# Altium PCB pcb-sam-carrier.PcbDoc (part 2 of 3) (continued)
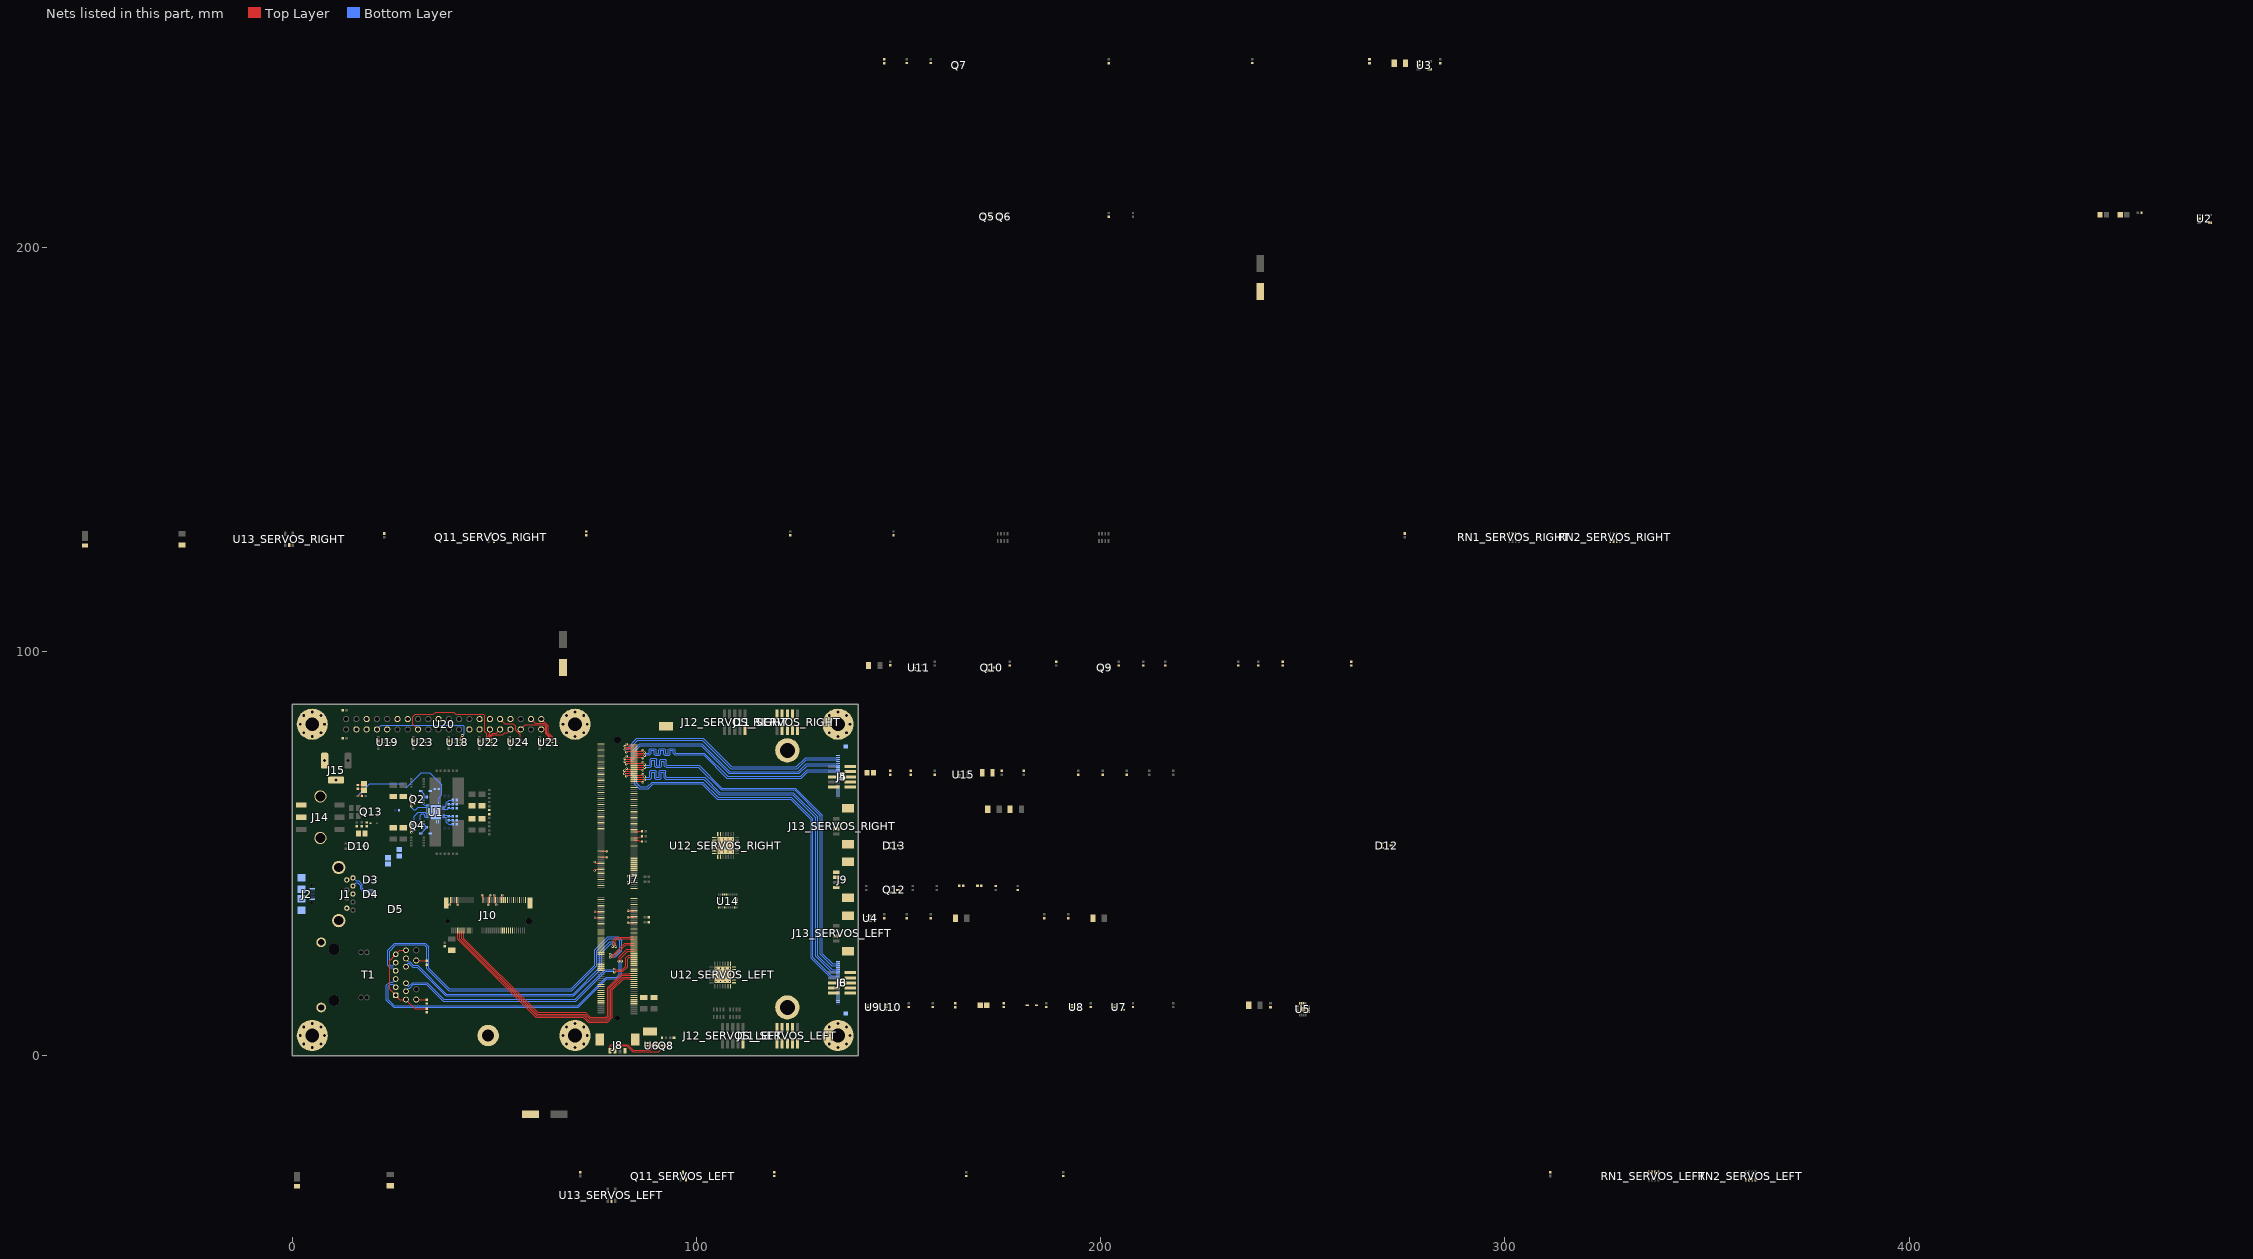
[diagram p2: the nets of this part, all layers, seen from the top]
## Part data (continued)
U6 U15: library part sn74lvc1t45, "Single-Bit Dual-Supply Bus Transceiver With Configurable Voltage Translation and 3-State Outputs", Supplier Part Number 1=296-37701-1-ND, ComponentLink1Description=Datasheet, ComponentLink1URL=https://www.ti.com/general/docs/suppproductinfo.tsp?distId=10&gotoUrl=https%3A%2F%2Fwww.ti.com%2Flit%2Fgpn%2Fsn74lvc1t45, Supplier 1=Digi-Key, Supplier 2=Digi-Key, Supplier 3=Mouser, Supplier Part Number 2=296-37701-6-ND, Supplier Part Number 3=595-74LVC1T45DCKTG4
U7: "Bus buffer/line driver; 3-state", ComponentLink1Description=Datasheet, ComponentLink1URL=https://assets.nexperia.com/documents/data-sheet/74LVC1G126.pdf
U8 U10: library part nc7sz38p5x, "TinyLogic UHS 2-Input / NAND Gate, Open Drain / Output", ComponentLink1Description=Datasheet, ComponentLink1URL=https://www.onsemi.com/pdf/datasheet/nc7sz38-d.pdf
U9 U11: library part 74lvc1g07gw, "Buffer with open-drain output", Supplier Part Number 1=1727-3099-1-ND, ComponentLink1Description=Datasheet, ComponentLink1URL=https://assets.nexperia.com/documents/data-sheet/74LVC1G07.pdf, Supplier 1=Digi-Key, Supplier 2=Digi-Key, Supplier 3=Mouser, Supplier Part Number 2=1727-3099-6-ND, Supplier Part Number 3=771-74LVC1G07GW-G
U12_SERVOS_LEFT U12_SERVOS_RIGHT: "16-channel, 12-bit PWM Fm+ I2C-bus LED controller", Address=0x40, ComponentLink1Description=datasheet, ComponentLink1URL=https://www.nxp.com/docs/en/data-sheet/PCA9685.pdf
U14: library part bno055, "Intelligent 9-axis absolute orientation sensor", Supplier Part Number 1=828-1058-1-ND, ComponentLink1Description=Datasheet, ComponentLink1URL=https://www.bosch-sensortec.com/media/boschsensortec/downloads/datasheets/bst-bno055-ds000.pdf, Supplier 1=Digi-Key, Supplier 2=Mouser, Supplier Part Number 2=262-BNO055
U18 U19 U21 U22 U23 U24: library part txb0104rutr, "4-Bit Bidirectional Voltage-level Translator With Automatic Direction Sensing", Supplier Part Number 1=296-21930-1-ND, ComponentLink1Description=datasheet, ComponentLink1URL=https://www.ti.com/lit/ds/symlink/txb0104.pdf, Supplier 1=Digi-Key, Supplier 2=Digi-Key, Supplier 3=Mouser, Supplier 4=LCSC, Supplier Part Number 2=296-21930-6-ND, Supplier Part Number 3=595-TXB0104RGYR, Supplier Part Number 4=C400708
U20: library part raspberry_2x20_con, "Raspberry PI 2x20 connector"
Y1: library part CMP-0447-00001-3, "CRYSTAL 32.7680KHZ 12.5PF SMD", Case/Package=CSMD, ESR (Equivalent Series Resistance)=70kR, Frequency=32.768kHz, Frequency Tolerance=20ppm, Load Capacitance=12.5pF, Max Operating Temperature=85°C, Min Operating Temperature=-40°C, Operating Frequency="32.768 kHz", Package Quantity=3000, Depth=1.5mm, Height=0.035inch, Lead Free="Lead Free", Length=3.2mm, Number of Pins=2, Packaging="Tape and Reel", Radiation Hardening=No, REACH SVHC="No SVHC", RoHS Compliant=Yes, Series=ABS07, Series Resistance=70kR, Termination=SMD/SMT, Tolerance=20ppm, Width=0.061inch

## Via types
v1: diameter 0.6, hole 0.2, Top Layer to Bottom Layer, tented both sides, 80 vias
v2: diameter 1.27, hole 0.7, Top Layer to Bottom Layer, 48 vias
v3: diameter 0.5, hole 0.2, Top Layer to Bottom Layer, 38 vias
v4: diameter 0.7, hole 0.3, Top Layer to Bottom Layer, tented both sides, 4 vias
v5: diameter 0.6, hole 0.2, Top Layer to Bottom Layer, 2 vias

## Nets (pads, with @x,y where several pads share a name; then routed paths per layer and width w, separated by ;. In a path a pad name is that pad's centre, name@x,y a point inside that pad or via, vN(x,y) a via of type N, cw(c..) or ccw(c..) an arc to the next point about the centre after c; other vN are vias at no path point)
\IMU_INT: R57.1 U14.14 U15.3
\LATCH_Q: R38.1 U8.2 U10.4
\LATCH_RST: R37.1 U9.4 U10.2
\LATCH_SET: C48.2 R35.1 U8.1
\M2E_W_DISABLE1: J10.56 Q9.3 R43.1
\M2E_W_DISABLE2: J10.54 Q10.3 R47.1
\PCIE_CLKREQ: J7.180 J10.53 R45.1
\PCIE_RESET: J7.181 J10.52 R42.1
\PCIE_WAKE: J7.179 J10.55 R44.1
\SERVO_EN_SERVOS_LEFT: Q11_SERVOS_LEFT.3 R49_SERVOS_LEFT.1 U12_SERVOS_LEFT.20
\SERVO_EN_SERVOS_RIGHT: Q11_SERVOS_RIGHT.3 R49_SERVOS_RIGHT.1 U12_SERVOS_RIGHT.20
\SYS_RST: J7.239 Q5.1 R23.1 U1.10 U3.4
A0_SERVOS_LEFT: R50_SERVOS_LEFT.1 R51_SERVOS_LEFT.2 U12_SERVOS_LEFT.26
A0_SERVOS_RIGHT: R50_SERVOS_RIGHT.1 R51_SERVOS_RIGHT.2 U12_SERVOS_RIGHT.26
ACT_C: R25.2 T1.17 | length 2.6
  Top Layer w0.213: T1.17@30.71,13.905 33.27,13.905 R25.2@33.3,13.875
AUD_MCLK: J7.211 U18.5
BG1: Q2.4 U1.21 | length 5.7
  Top Layer w0.213: Q2.4@29.45,62.525 29.5,62.475 v1(29.5,61.75)
  Bottom Layer w0.213: v1(29.5,61.75) 29.574,61.676 29.574,61.386 30.077,60.883 30.633,60.883 31.25,61.5 U1.21@33.575,61.5
BG2: Q4.4 U1.18 | length 9
  Top Layer w0.213: Q4.4@29.45,56.025 29.45,55.3 v1(29.5,55.25)
  Bottom Layer w0.213: v1(29.5,55.25) 29.5,55.256 29.818,55.574 29.824,55.574 30.25,56 30.25,59.29 31.21,60.25 32.766,60.25 33.009,60.007 33.568,60.007 U1.18@33.575,60
BOOST1: C5.2 D1.C U1.22 | length 5.6
  Bottom Layer w0.213: D1.C@31.875,65.5 32.075,65.5 32.194,65.381 32.194,65.181 32.625,64.75 32.625,64 ; C5.2@33.29,64 32.625,64 ; U1.22@33.575,62 32.766,62 32.5,62.266 32.5,63.875 32.625,64
BOOST2: C18.2 D2.C U1.16 | length 8.4
  Bottom Layer w0.213: D2.C@31.875,55 32.075,55 32.194,55.119 32.194,55.319 33.076,56.201 33.076,56.286 C18.2@33.29,56.5 31.691,58.099 31.691,59.481 32.019,59.809 32.481,59.809 32.809,59.481 32.809,59.132 32.933,59.007 33.568,59.007 U1.16@33.575,59
BT_M2_EN: J7.126 Q10.1
BT_M2_WAKE: J7.124 J10.20 R46.2
CAM0_MCLK: J5.17 J7.116
CAM0_PWDN: J5.18 J7.114
CAM0_SCL: J5.20 U4.6
CAM0_SDA: J5.21 U4.2
CAM1_MCLK: J3.17 J7.122
CAM1_PWDN: J3.18 J7.120
CAM1_SCL: J3.20 U4.7
CAM1_SDA: J3.21 U4.1
CAM_MUX_SEL: J7.130 U4.10
CAM_SCL: J7.213 U4.5
CAM_SDA: J7.215 U4.3
CSI0_CLK_N: J5.8 J7.10 | length 59.7
  Top Layer w0.213: J7.10@84.6,74.875 85.581,74.875 85.599,74.857 87.052,74.857 v1(87.2,75.005)
  Bottom Layer w0.213: v1(87.2,75.005) 87.305,75.005 87.453,74.857 88.02,74.857 88.26,74.857 88.385,74.981 88.385,75.72 88.652,75.987 89.751,75.987 90.019,75.72 90.019,74.748 90.739,74.748 90.739,75.72 91.007,75.987 92.106,75.987 92.374,75.72 92.374,74.748 93.094,74.748 93.094,75.692 93.362,75.959 94.461,75.959 94.729,75.692 94.729,74.981 94.853,74.857 97.768,74.857 101.989,74.857 107.723,69.123 125.777,69.123 127.382,70.728 134.422,70.728 134.444,70.75 J5.8@135.05,70.75
CSI0_CLK_P: J5.9 J7.12 | length 59.7
  Top Layer w0.213: J7.12@84.6,74.375 85.581,74.375 85.606,74.4 87.052,74.4 v1(87.2,74.252)
  Bottom Layer w0.213: v1(87.2,74.252) 87.305,74.252 87.453,74.4 88.02,74.4 88.449,74.4 88.841,74.792 88.841,75.531 89.562,75.531 89.562,74.559 89.83,74.291 90.929,74.291 91.196,74.559 91.196,75.531 91.917,75.531 91.917,74.559 92.185,74.291 93.284,74.291 93.551,74.559 93.551,75.502 94.272,75.502 94.272,74.792 94.664,74.4 97.768,74.4 101.8,74.4 107.534,68.666 125.966,68.666 127.572,70.272 134.422,70.272 134.444,70.25 J5.9@135.05,70.25
CSI0_D0_N: J5.2 J7.4 | length 59.9
  Top Layer w0.213: v1(82.3,76.501) 82.448,76.353 83.597,76.353 83.619,76.375 J7.4@84.6,76.375
  Bottom Layer w0.213: v1(82.3,76.501) 82.448,76.353 83.151,76.353 85.297,78.5 88.25,78.5 98.5,78.5 101.654,78.5 108.692,71.462 124.762,71.462 127.028,73.728 134.422,73.728 134.444,73.75 J5.2@135.05,73.75
CSI0_D0_P: J5.3 J7.6 | length 59.9
  Top Layer w0.213: v1(82.3,75.749) 82.448,75.897 83.597,75.897 83.619,75.875 J7.6@84.6,75.875
  Bottom Layer w0.213: v1(82.3,75.749) 82.448,75.897 83.34,75.897 85.486,78.043 101.465,78.043 108.503,71.005 124.951,71.005 127.218,73.272 134.422,73.272 134.444,73.25 J5.3@135.05,73.25
CSI0_D1_N: J5.5 J7.16 | length 61.3
  Top Layer w0.213: v1(82.3,73.501) 82.448,73.353 83.597,73.353 83.619,73.375 J7.16@84.6,73.375
  Bottom Layer w0.213: v1(82.3,73.501) 82.448,73.353 83.621,73.353 84.143,73.875 84.143,75.343 85.957,77.157 101.343,77.157 108.207,70.293 125.246,70.293 127.182,72.228 134.422,72.228 134.444,72.25 J5.5@135.05,72.25
CSI0_D1_P: J5.6 J7.18 | length 61.3
  Top Layer w0.213: v1(82.3,72.749) 82.448,72.897 83.597,72.897 83.619,72.875 J7.18@84.6,72.875
  Bottom Layer w0.213: v1(82.3,72.749) 82.448,72.897 83.81,72.897 84.599,73.686 84.599,75.153 86.146,76.7 101.154,76.7 108.018,69.836 125.436,69.836 127.372,71.772 134.422,71.772 134.444,71.75 J5.6@135.05,71.75
CSI2_CLK_N: J3.8 J7.28 | length 98.3
  Top Layer w0.213: v1(82.2,70.505) 82.348,70.357 83.601,70.357 83.619,70.375 J7.28@84.6,70.375
  Bottom Layer w0.213: v1(82.2,70.505) 82.348,70.357 83.795,70.357 85.257,68.895 85.257,67.343 86.1,66.5 87.9,66.5 89.084,67.684 101.554,67.684 105.354,63.884 123.508,63.884 128.818,58.574 128.818,24.303 133.392,19.728 134.422,19.728 134.444,19.75 J3.8@135.05,19.75
CSI2_CLK_P: J3.9 J7.30 | length 98.3
  Top Layer w0.213: v1(82.2,69.752) 82.348,69.9 83.594,69.9 83.619,69.875 J7.30@84.6,69.875
  Bottom Layer w0.213: v1(82.2,69.752) 82.348,69.9 83.606,69.9 84.8,68.706 84.8,67.154 85.911,66.043 88.089,66.043 89.273,67.227 101.365,67.227 105.165,63.427 123.319,63.427 128.361,58.385 128.361,24.113 133.203,19.272 134.422,19.272 134.444,19.25 J3.9@135.05,19.25
CSI2_D0_N: J3.2 J7.22 | length 96.8
  Top Layer w0.213: J7.22@84.6,71.875 85.581,71.875 85.603,71.853 87.052,71.853 v1(87.2,72.001)
  Bottom Layer w0.213: v1(87.2,72.001) 87.348,71.853 88.2,71.853 88.44,71.853 88.565,71.978 88.565,73.311 88.832,73.578 89.931,73.578 90.199,73.311 90.199,71.787 90.92,71.787 90.92,73.057 91.187,73.324 92.286,73.324 92.554,73.057 92.554,71.978 92.678,71.853 99.368,71.853 100.693,71.853 106.323,66.223 124.477,66.223 131.157,59.543 131.157,25.272 133.7,22.728 134.422,22.728 134.444,22.75 J3.2@135.05,22.75
CSI2_D0_P: J3.3 J7.24 | length 96.8
  Top Layer w0.213: J7.24@84.6,71.375 85.581,71.375 85.603,71.397 87.052,71.397 v1(87.2,71.249)
  Bottom Layer w0.213: v1(87.2,71.249) 87.348,71.397 88.2,71.397 88.629,71.397 89.022,71.789 89.022,73.122 89.742,73.122 89.742,71.598 90.01,71.33 91.109,71.33 91.376,71.598 91.376,72.868 92.097,72.868 92.097,71.789 92.489,71.397 99.368,71.397 100.503,71.397 106.134,65.766 124.288,65.766 130.7,59.354 130.7,25.082 133.511,22.272 134.422,22.272 134.444,22.25 J3.3@135.05,22.25
CSI2_D1_N: J3.5 J7.34 | length 96.7
  Top Layer w0.213: J7.34@84.6,68.875 85.581,68.875 85.603,68.853 87.052,68.853 v1(87.2,69.001)
  Bottom Layer w0.213: v1(87.2,69.001) 87.348,68.853 88.1,68.853 88.34,68.853 88.465,68.978 88.465,70.36 88.732,70.628 89.831,70.628 90.099,70.36 90.099,68.853 90.82,68.853 90.82,70.35 91.087,70.618 92.186,70.618 92.454,70.35 92.454,68.978 92.578,68.853 99.777,68.853 102.039,68.853 105.839,65.054 123.993,65.054 129.987,59.059 129.987,24.787 133.546,21.228 134.422,21.228 134.444,21.25 J3.5@135.05,21.25
CSI2_D1_P: J3.6 J7.36 | length 96.7
  Top Layer w0.213: J7.36@84.6,68.375 85.581,68.375 85.603,68.397 87.052,68.397 v1(87.2,68.249)
  Bottom Layer w0.213: v1(87.2,68.249) 87.348,68.397 88.1,68.397 88.529,68.397 88.922,68.789 88.922,70.171 89.642,70.171 89.642,68.664 89.91,68.397 91.009,68.397 91.276,68.664 91.276,70.161 91.997,70.161 91.997,68.789 92.389,68.397 99.777,68.397 101.85,68.397 105.649,64.597 123.803,64.597 129.531,58.869 129.531,24.598 133.357,20.772 134.422,20.772 134.444,20.75 J3.6@135.05,20.75
DISCGH: Q5.3 Q6.1 R16.1
FAN_PWM: J7.230 U6.4
FAN_PWM_CON: J8.4 U6.3 | length 14.7
  Top Layer w0.152: J8.4@78.625,1.25 78.625,2.375 79,2.75 83,2.75 84.446,1.304 88.554,1.304 89,1.75 89,2.75 89.4,3.15 U6.3@90.125,3.15
FAN_TACH: J7.208 Q8.2 R33.1
FAN_TACH_CON: J8.3 Q8.3 R31.1 | length 14.3
  Top Layer w0.152: J8.3@79.875,1.25 79.875,2.125 80.196,2.446 82.804,2.446 84.25,1 90.65,1 91.65,2 Q8.3@91.65,2.5
GBE_MDI0_N: J7.184 T1.10 | length 70.4
  Top Layer w0.213: v1(79.295,27) 79.443,27.148 79.443,28.589 80.207,29.353 83.597,29.353 83.619,29.375 J7.184@84.6,29.375
  Bottom Layer w0.213: T1.10@28.17,22.03 28.17,22.287 28.7,22.817 28.895,22.817 29.811,21.9 30.9,21.9 38,14.8 69.708,14.8 76.584,21.676 76.584,25.484 78.8,27.7 79.243,27.7 79.443,27.5 79.443,27.148 v1(79.295,27)
GBE_MDI0_P: J7.186 T1.11 | length 70.4
  Top Layer w0.213: v1(80.048,27) 79.9,27.148 79.9,28.4 80.397,28.897 83.597,28.897 83.619,28.875 J7.186@84.6,28.875
  Bottom Layer w0.213: T1.11@28.17,24.06 28.17,23.803 28.7,23.273 29.084,23.273 30,22.357 31.089,22.357 38.189,15.257 69.519,15.257 76.127,21.865 76.127,25.673 78.611,28.157 79.432,28.157 79.9,27.689 79.9,27.148 v1(80.048,27)
GBE_MDI1_N: J7.190 T1.5 | length 90.9
  Top Layer w0.213: v1(78.7,25.105) 78.848,24.957 79.414,24.957 80.451,25.994 80.465,25.994 81.054,26.583 81.054,26.597 82.311,27.853 83.597,27.853 83.619,27.875 J7.190@84.6,27.875
  Bottom Layer w0.213: T1.5@25.63,23.045 24.843,22.258 24.4,22.258 24.1,22.558 24.1,25.9 25.6,27.4 32.7,27.4 33.3,26.8 33.3,21.5 38.7,16.1 69.213,16.1 75.314,22.201 75.314,26.01 78.274,28.969 80.531,28.969 81.1,28.4 81.1,26.2 79.857,24.957 78.848,24.957 v1(78.7,25.105)
GBE_MDI1_P: J7.192 T1.4 | length 93.9
  Top Layer w0.213: v1(78.7,24.352) 78.848,24.5 79.603,24.5 80.64,25.537 80.654,25.537 81.511,26.394 81.511,26.407 82.5,27.397 83.597,27.397 83.619,27.375 J7.192@84.6,27.375
  Bottom Layer w0.213: T1.4@25.63,21.015 24.843,21.802 24.211,21.802 23.643,22.369 23.643,26.089 25.411,27.857 32.889,27.857 33.623,27.123 33.757,26.989 33.757,21.689 38.889,16.557 69.024,16.557 74.857,22.391 74.857,26.199 78.085,29.426 80.72,29.426 81.557,28.589 81.557,26.011 80.046,24.5 78.848,24.5 v1(78.7,24.352)
GBE_MDI2_N: J7.196 T1.2 | length 75.6
  Top Layer w0.213: v1(80.752,23.4) 80.9,23.548 80.9,24.443 82.811,26.353 83.597,26.353 83.619,26.375 J7.196@84.6,26.375
  Bottom Layer w0.213: T1.2@25.63,16.955 24.843,17.742 24.3,17.742 23.8,17.242 23.8,13.9 25.3,12.4 70.6,12.4 77.657,19.457 80.257,19.457 80.9,20.1 80.9,23.252 v1(80.752,23.4)
GBE_MDI2_P: J7.198 T1.3 | length 77.1
  Top Layer w0.213: v1(81.505,23.4) 81.357,23.548 81.357,24.253 83,25.897 83.597,25.897 83.619,25.875 J7.198@84.6,25.875
  Bottom Layer w0.213: T1.3@25.63,18.985 24.843,18.198 24.111,18.198 23.343,17.431 23.343,13.711 25.111,11.943 70.789,11.943 77.846,19 80.446,19 81.357,19.911 81.357,23.252 v1(81.505,23.4)
GBE_MDI3_N: J7.202 T1.9 | length 64.8
  Top Layer w0.213: v1(79.7,21.448) 79.848,21.3 81.654,21.3 82.543,22.189 82.543,24.189 83.229,24.875 J7.202@84.6,24.875
  Bottom Layer w0.213: T1.9@28.17,17.97 28.17,17.713 28.7,17.183 28.895,17.183 29.811,18.1 33.4,18.1 37.543,13.957 70.014,13.957 77.357,21.3 79.552,21.3 v1(79.7,21.448)
GBE_MDI3_P: J7.204 T1.8 | length 64.8
  Top Layer w0.213: v1(79.7,20.695) 79.848,20.843 81.843,20.843 83,22 83,24 83.375,24.375 J7.204@84.6,24.375
  Bottom Layer w0.213: T1.8@28.17,15.94 28.17,16.197 28.7,16.727 29.084,16.727 30,17.643 33.211,17.643 37.354,13.5 70.203,13.5 77.547,20.843 79.552,20.843 v1(79.7,20.695)
GND: C1.1 C2.1 C3.1 C4.1 C6.2 C7.1 C8.1 C9.1 C11.1 C12.1 C13.2 C14.1 C15.1 C16.1 C17.1 C19.2 C20.1 C21.1 C23.1 C24.1 C25.2 C26.1 C27.1 C28.1 C31.1 C32.1 C33.1 C34.1 C35.1 C36.1 C37.1 C38.1 C39.1 C40.1 C41.2 C42.1 C43.1 C44.2 C45.1 C46.1 C47.1 C48.1 C49.1 C50.1 C53.1 C54.1 C55_SERVOS_LEFT.2 C55_SERVOS_RIGHT.2 C56_SERVOS_LEFT.2 C56_SERVOS_RIGHT.2 C57_SERVOS_LEFT.1 C57_SERVOS_RIGHT.1 C58.1 C59.1 C60.1 C61.1 C62.1 C63.1 C64.1 C65.1 C66.1 C67.1 C68.1 C69.1 C70.1 C71.1 C72.1 C73.1 C74.1 C75.1 C76.1 C77.1 C78.1 C79.2 C80.1 D3.3 D3.8 D4.3 D4.8 D5.3 D5.8 D7_SERVOS_LEFT.A D7_SERVOS_RIGHT.A D8.2 D10.3 D12.3 D13.3 J1.4 J1.7 J1.Shell J2.5 J2.Shell J3.1 J3.4 J3.7 J3.10 J3.13 J3.16 J3.19 J3.MP1 J3.MP2 J4.02 J4.04 J5.1 J5.4 J5.7 J5.10 J5.13 J5.16 J5.19 J5.MP1 J5.MP2 J6.02 J6.04 J6.07 J7.1 J7.2 J7.7 J7.8 J7.13 J7.14 J7.19 J7.20 J7.25 J7.26 J7.31 J7.32 J7.37 J7.38 J7.43 J7.44 J7.49 J7.50 J7.55 J7.56 J7.61 J7.62 J7.67 J7.68 J7.73 J7.74 J7.79 J7.80 J7.85 J7.86 J7.102 J7.107 J7.113 J7.119 J7.125 J7.129 J7.132 J7.135 J7.138 J7.141 J7.144 J7.146 J7.147 J7.152 J7.153 J7.158 J7.159 J7.164 J7.165 J7.170 J7.171 J7.176 J7.177 J7.200 J7.201 J7.217 J7.231 J7.241 J7.242 J7.243 J7.244 J7.245 J7.246 J7.247 J7.248 J7.249 J7.250 J7.S1 J7.S2 J8.1 J8.SHD J9.1 J9.SHD J10.1 J10.7 J10.18 J10.33 J10.39 J10.45 J10.51 J10.57 J10.63 J10.69 J10.75 J10.S1 J10.S2 J11_SERVOS_LEFT.2 J11_SERVOS_RIGHT.2 J12_SERVOS_LEFT.2 J12_SERVOS_RIGHT.2 J13_SERVOS_LEFT.2 J13_SERVOS_LEFT.SHD J13_SERVOS_RIGHT.2 J13_SERVOS_RIGHT.SHD J14.2 J14.3 J14.TAB J15.2 J15.3 MH1.1 MH2.1 MH3.1 MH4.1 MH5.1 MH6.1 MP1.1 MP2.1 MP3.1 Q2.1 Q2.2 Q2.3 Q4.1 Q4.2 Q4.3 Q5.2 Q6.2 Q7.2 Q9.2 Q10.2 Q11_SERVOS_LEFT.2 Q11_SERVOS_RIGHT.2 Q12.2 R3.2 R4.2 R8.1 R11.2 R20.2 R27.1 R51_SERVOS_LEFT.1 R51_SERVOS_RIGHT.1 R62.1 R66.1 T1.Shell U1.11 U1.17 U1.29 U2.2 U2.4 U3.2 U4.4 U4.8 U5.3 U5.11 U5.15 U5.17 U6.2 U6.5 U7.3 U8.3 U9.3 U10.3 U11.3 U12_SERVOS_LEFT.1 U12_SERVOS_LEFT.2 U12_SERVOS_LEFT.11 U12_SERVOS_LEFT.21 U12_SERVOS_LEFT.22 U12_SERVOS_LEFT.27 U12_SERVOS_LEFT.28 U12_SERVOS_LEFT.29 U12_SERVOS_RIGHT.1 U12_SERVOS_RIGHT.2 U12_SERVOS_RIGHT.11 U12_SERVOS_RIGHT.21 U12_SERVOS_RIGHT.22 U12_SERVOS_RIGHT.27 U12_SERVOS_RIGHT.28 U12_SERVOS_RIGHT.29 U13_SERVOS_LEFT.2 U13_SERVOS_RIGHT.2 U14.2 U14.6 U14.17 U14.18 U14.25 U15.2 U18.6 U19.6 U20.6 U20.9 U20.14 U20.20 U20.25 U20.30 U20.34 U20.39 U21.6 U22.6 U23.6 U24.6 | length 55.9
  Top Layer w0.213: R8.1@16.25,66.975 17.425,66.975 C9.1@17.75,67.3 ; v1(39,37.3) 39.25,37.55 J10.1@39.25,38.525 ; J10.7@40.75,38.525 40.75,37.55 v1(41,37.3) ; v1(47,39.75) 47.25,39.5 J10.33@47.25,38.525 ; v1(48.5,37.3) 48.75,37.55 J10.39@48.75,38.525 48.75,39.5 v1(49,39.75) ; v1(50,39.75) 50.25,39.5 J10.45@50.25,38.525 50.25,37.55 v1(50.5,37.3) ; J10.51@51.75,38.525 51.75,39.5 v1(52,39.75) ; v1(74.837,45.826) 74.857,45.826 75.155,46.125 J7.125@76.4,46.125 ; v1(74.837,47.924) 74.857,47.924 75.155,47.625 J7.119@76.4,47.625 ; v1(74.925,34.125) J7.165@76.4,34.125 ; v1(74.925,35.625) J7.159@76.4,35.625 ; J7.113@76.4,49.125 v1(77.875,49.125) ; J7.107@76.4,50.625 v1(77.875,50.625) ; v1(82.675,69.169) 82.78,69.169 82.986,69.375 86.435,69.375 86.666,69.606 v1(86.753,69.606) ; v1(82.705,72.114) 82.762,72.114 83.023,72.375 86.435,72.375 86.666,72.606 v1(86.753,72.606) ; v1(82.705,75.114) 82.762,75.114 83.023,75.375 86.433,75.375 86.666,75.608 v1(86.751,75.608) ; v1(82.735,71.034) 82.84,71.034 82.999,70.875 86.464,70.875 86.716,70.623 v1(86.782,70.623) ; v1(82.763,74.095) 82.861,74.095 83.081,73.875 86.466,73.875 86.715,73.625 v1(86.784,73.625) ; v1(82.763,77.095) 82.861,77.095 83.081,76.875 J7.2@84.6,76.875 ; v1(83.1,34.3) 84.525,34.3 J7.164@84.6,34.375 ; v1(83.1,35.9) 84.575,35.9 J7.158@84.6,35.875 ; v1(83.125,32.875) J7.170@84.6,32.875 ; v1(83.125,42.875) J7.138@84.6,42.875 ; v1(83.125,44.375) J7.132@84.6,44.375 ; J7.38@84.6,67.875 86.464,67.875 86.716,67.623 v1(86.782,67.623)
  Bottom Layer w0.213: U1.17@33.575,59.5 34.6,59.5 v3(34.95,59.15)
  other v2: 5,2 70,2 135,2 2.879,2.879 7.121,2.879 67.879,2.879 72.121,2.879 132.879,2.879 137.121,2.879 2,5 8,5 67,5 73,5 132,5 138,5 2.879,7.121 7.121,7.121 67.879,7.121 72.121,7.121 132.879,7.121 137.121,7.121 5,8 70,8 135,8 5,79 70,79 135,79 2.879,79.879 7.121,79.879 67.879,79.879 72.121,79.879 132.879,79.879 137.121,79.879 2,82 8,82 67,82 73,82 132,82 138,82 2.879,84.121 7.121,84.121 67.879,84.121 72.121,84.121 132.879,84.121 137.121,84.121 5,85 70,85 135,85
  other v3: 104.85,18.35 105.95,18.35 107.05,18.35 108.15,18.35 104.85,19.45 105.95,19.45 107.05,19.45 108.15,19.45 104.85,20.55 105.95,20.55 107.05,20.55 108.15,20.55 104.85,21.65 105.95,21.65 107.05,21.65 108.15,21.65 105.6,50.35 106.7,50.35 107.8,50.35 108.9,50.35 105.6,51.45 106.7,51.45 107.8,51.45 108.9,51.45 105.6,52.55 106.7,52.55 107.8,52.55 108.9,52.55 105.6,53.65 106.7,53.65 107.8,53.65 108.9,53.65 36.05,59.15 34.95,60.25 36.05,60.25 34.95,61.35 36.05,61.35
GPIO01: J7.118 U15.4 U22.3
GPIO01_LS: U20.29 U22.9 | length 2.8
  Top Layer w0.152: U22.9@48.5,78.15 48.5,79.1 48.93,79.53 U20.29@48.93,80.73
GPIO07_LS: U20.32 U24.8 | length 8.4
  Top Layer w0.152: U20.32@51.47,83.27 52.64,82.1 54.7,82.1 55.3,81.5 55.3,80.548 56.483,79.366 56.483,78.634 56.424,78.576 56.424,78.174 U24.8@56.4,78.15
GPIO09_LS: U18.7 U20.7 | length 25.8
  Top Layer w0.152: U18.7@41.7,78.15 41.7,78.8 v4(42.1,79.2)
  Bottom Layer w0.152: U20.7@20.99,80.73 22.056,81.796 42.204,81.796 42.6,81.4 42.6,79.7 v4(42.1,79.2)
GPIO11_LS: U20.31 U22.8 | length 4.2
  Top Layer w0.152: U22.8@48.9,78.15 48.9,79.07 49.63,79.8 50.54,79.8 U20.31@51.47,80.73
GPIO12_LS: U20.15 U22.10 | length 28.4
  Top Layer w0.152: U20.15@31.15,80.73 29.9,81.98 29.9,83.9 30.5,84.5 34.97,84.5 35.474,85.004 40.006,85.004 40.51,84.5 47.3,84.5 47.6,84.2 47.6,80.1 48.1,79.6 U22.10@48.1,78.15
GPIO13_LS: U20.33 U22.7 | length 6.3
  Top Layer w0.152: U22.7@49.3,78.15 49.3,79.039 49.661,79.4 52.1,79.4 52.6,79.9 53.18,79.9 U20.33@54.01,80.73
HOST_TXC_N: C29.1 D4.4 D4.7 J1.8 | length 6.6
  Bottom Layer w0.213: J1.8@15.04,42 15.812,42.772 16.272,42.772 16.943,42.1 16.943,41.257 17.678,40.522 18.672,40.522 18.694,40.5 D4.4@19.082,40.5 D4.7@19.917,40.5
HOST_TXC_P: C30.1 D4.5 D4.6 J1.9 | length 6.6
  Bottom Layer w0.213: J1.9@15.04,44 15.812,43.228 16.461,43.228 17.4,42.289 17.4,41.446 17.868,40.978 18.672,40.978 18.694,41 D4.5@19.082,41 D4.6@19.917,41
HOST_VBUS_5V: C27.2 C28.2 J1.1 U3.1
I2C1.SCL: D12.2 J4.05 J6.05 J7.189 R60.2 U12_SERVOS_LEFT.23 U12_SERVOS_RIGHT.23 U20.5
I2C1.SDA: D12.1 J4.06 J6.06 J7.191 R61.2 U12_SERVOS_LEFT.24 U12_SERVOS_RIGHT.24 U20.3
I2C2_SCL: J7.232 R39.2
I2C2_SDA: J7.234 R40.2
I2S0.DIN: J4.08 J6.08 J7.195 U21.4
I2S0.DOUT: J7.193 U5.1 U21.5
I2S0.FS: J4.09 J6.09 J7.197 U5.14 U21.3
I2S0.SCLK: J4.10 J6.10 J7.199 U5.16 U21.2
I2S0_DIN_LS: U20.38 U21.8 | length 8.3
  Top Layer w0.152: U20.38@59.09,83.27 60.16,82.2 62.27,82.2 62.996,81.474 62.996,79.804 63.9,78.9 U21.8@63.9,78.15
I2S0_DOUT_LS: U20.40 U21.7 | length 6.2
  Top Layer w0.152: U20.40@61.63,83.27 63.3,81.6 63.3,79.93 64.3,78.93 U21.7@64.3,78.15
I2S0_FS_LS: U20.35 U21.9 | length 10.4
  Top Layer w0.152: U20.35@56.55,80.73 57.716,81.896 62.143,81.896 62.691,81.348 62.691,79.678 63.5,78.87 U21.9@63.5,78.15
I2S0_SCLK_LS: U20.12 U21.10
I2S1_DIN: J7.222 J10.12 | length 61.3
  Top Layer w0.152: J10.12@42,30.975 42,28.931 60.627,10.304 72.377,10.304 73.583,9.098 77.711,9.098 78.446,9.833 78.446,16.654 81.667,19.875 83.649,19.875 J7.222@84.6,19.875
I2S1_DOUT: J7.220 J10.14 | length 60.7
  Top Layer w0.152: J10.14@42.5,30.975 42.5,29 60.794,10.706 72.544,10.706 73.75,9.5 77.544,9.5 78.044,10 78.044,16.82 81.5,20.277 83.482,20.277 83.58,20.375 J7.220@84.6,20.375
I2S1_FS: J7.224 J10.10 | length 62.1
  Top Layer w0.152: J10.10@41.5,30.975 41.5,28.863 60.461,9.902 72.211,9.902 73.417,8.696 77.877,8.696 78.848,9.667 78.848,16.487 81.833,19.473 83.551,19.473 83.649,19.375 J7.224@84.6,19.375
I2S1_SCLK: J7.226 J10.8 | length 62.8
  Top Layer w0.152: J10.8@41,30.975 41,28.794 60.294,9.5 72.044,9.5 73.25,8.294 78.044,8.294 79.25,9.5 79.25,16.321 82,19.071 83.385,19.071 83.58,18.875 J7.226@84.6,18.875
ID_I2C.SCL: D13.1 J7.185 U20.28
ID_I2C.SDA: D13.2 J7.187 U20.27
INTVCC: C4.2 D1.A D2.A R2.2 U1.19
LATCH_Q: D6.C R34.1 R36.1 U8.4 U10.1
LATCH_Q_DLY: C47.2 D6.A R36.2 U7.2
LCD_BL_PWM: J7.206 U24.4
LINK_C: R24.2 T1.19 | length 2.6
  Top Layer w0.213: T1.19@30.71,23.555 30.79,23.475 R24.2@33.3,23.475
M2E_ALERT: J7.212 J10.62 R41.1
M2E_SCL: J10.60 R39.1
M2E_SDA: J10.58 R40.1
MUSB_VBUS_5V: C33.2 J2.1 R26.1
NetC1_2: C1.2 R1.2 U1.20
NetC9_2: C9.2 R5.2 R8.2 U1.27 | length 33
  Top Layer w0.213: v1(16.25,64.25) R5.2@17.275,64.25 17.275,65.225 C9.2@17.75,65.7 17.425,66.025 R8.2@16.25,66.025
  Bottom Layer w0.213: v1(16.25,64.25) 19.25,67.25 27.5,67.25 ; 28.25,66.25 32,70 34,70 37,67 37,64.5 36.25,63.75 U1.27@36.25,62.675
NetC11_2: C11.2 U1.2 | length 3.5
  Bottom Layer w0.213: U1.2@37.425,61.5 37.735,61.5 37.851,61.616 37.884,61.616 38.191,61.924 38.191,61.96 38.191,62.607 38.834,63.25 C11.2@39.79,63.25
NetC12_2: C12.2 R9.2 U1.3 | length 2.5
  Bottom Layer w0.213: U1.3@37.425,61 38.45,61 38.725,61.275 38.75,61.25 C12.2@39.79,61.25
NetC13_1: C13.1 R9.1 | length 1.1
  Bottom Layer w0.213: R9.1@38.75,62.225 39.765,62.225 C13.1@39.79,62.25
NetC23_2: C23.2 R18.2 U1.6 | length 2.5
  Bottom Layer w0.213: U1.6@37.425,59.5 38.45,59.5 38.725,59.225 R18.2@38.75,59.225 39.765,59.225 C23.2@39.79,59.25
NetC24_2: C24.2 U1.7 | length 3.7
  Bottom Layer w0.213: U1.7@37.425,59 38,59 38.191,58.809 38.191,57.809 38.75,57.25 C24.2@39.79,57.25
NetC25_1: C25.1 R18.1 | length 1.1
  Bottom Layer w0.213: R18.1@38.75,58.275 38.775,58.25 C25.1@39.79,58.25
NetC32_2: C32.2 T1.1 T1.6 T1.7 T1.12 | length 23.4
  Top Layer w0.213: T1.12@28.17,26.09 26.645,26.09 T1.6@25.63,25.075 24.1,23.545 24.1,16.455 T1.1@25.63,14.925 26.645,13.91 T1.7@28.17,13.91 30.42,11.66 C32.2@33.3,11.66
NetC60_2: C60.2 U14.9
NetC61_2: C61.2 U14.26 Y1.1
NetC62_2: C62.2 U14.27 Y1.2
NetC66_2: C66.2 R65.1
NetD8_A: D8.1 R52.2
NetD9_A: D9.1 R53.1
NetD9_C: D9.2 Q12.3
NetD11_A: D11.A Q13.4 R66.2
NetJ7_88: J7.88 R28.1 | length 2
  Top Layer w0.213: J7.88@84.6,55.375 84.613,55.388 85.638,55.388 85.75,55.5 R28.1@86.525,55.5
NetJ7_94: J7.94 R30.1 | length 2.1
  Top Layer w0.213: J7.94@84.6,53.875 85.725,53.875 86.056,54.206 86.481,54.206 R30.1@86.525,54.25
NetJ7_96: J7.96 R29.1 | length 2.1
  Top Layer w0.213: J7.96@84.6,53.375 84.613,53.362 85.638,53.362 86,53 R29.1@86.525,53
NetJ7_188: J7.188 R24.1
NetJ7_194: J7.194 R25.1
NetJ7_210: J7.210 U11.2
NetJ7_216: J7.216 U22.4
NetJ7_218: J7.218 U22.2
NetJ7_228: J7.228 U22.5
NetJ7_233: J7.233 U9.2
NetJ7_237: J7.237 U7.4
NetJ9_3: J9.3 U5.9
NetJ9_4: J9.4 U5.10
NetJ11_SERVOS_LEFT_3: J11_SERVOS_LEFT.3 RN1_SERVOS_LEFT.8
NetJ11_SERVOS_LEFT_4: J11_SERVOS_LEFT.4 RN2_SERVOS_LEFT.1
NetJ11_SERVOS_LEFT_5: J11_SERVOS_LEFT.5 RN1_SERVOS_LEFT.7
NetJ11_SERVOS_LEFT_6: J11_SERVOS_LEFT.6 RN2_SERVOS_LEFT.2
NetJ11_SERVOS_LEFT_7: J11_SERVOS_LEFT.7 RN1_SERVOS_LEFT.6
NetJ11_SERVOS_LEFT_8: J11_SERVOS_LEFT.8 RN2_SERVOS_LEFT.3
NetJ11_SERVOS_LEFT_9: J11_SERVOS_LEFT.9 RN1_SERVOS_LEFT.5
NetJ11_SERVOS_LEFT_10: J11_SERVOS_LEFT.10 RN2_SERVOS_LEFT.4
NetJ11_SERVOS_RIGHT_3: J11_SERVOS_RIGHT.3 RN1_SERVOS_RIGHT.8
NetJ11_SERVOS_RIGHT_4: J11_SERVOS_RIGHT.4 RN2_SERVOS_RIGHT.1
NetJ11_SERVOS_RIGHT_5: J11_SERVOS_RIGHT.5 RN1_SERVOS_RIGHT.7
NetJ11_SERVOS_RIGHT_6: J11_SERVOS_RIGHT.6 RN2_SERVOS_RIGHT.2
NetJ11_SERVOS_RIGHT_7: J11_SERVOS_RIGHT.7 RN1_SERVOS_RIGHT.6
NetJ11_SERVOS_RIGHT_8: J11_SERVOS_RIGHT.8 RN2_SERVOS_RIGHT.3
NetJ11_SERVOS_RIGHT_9: J11_SERVOS_RIGHT.9 RN1_SERVOS_RIGHT.5